# KiCad board 2000ATX.kicad_pcb (continued)
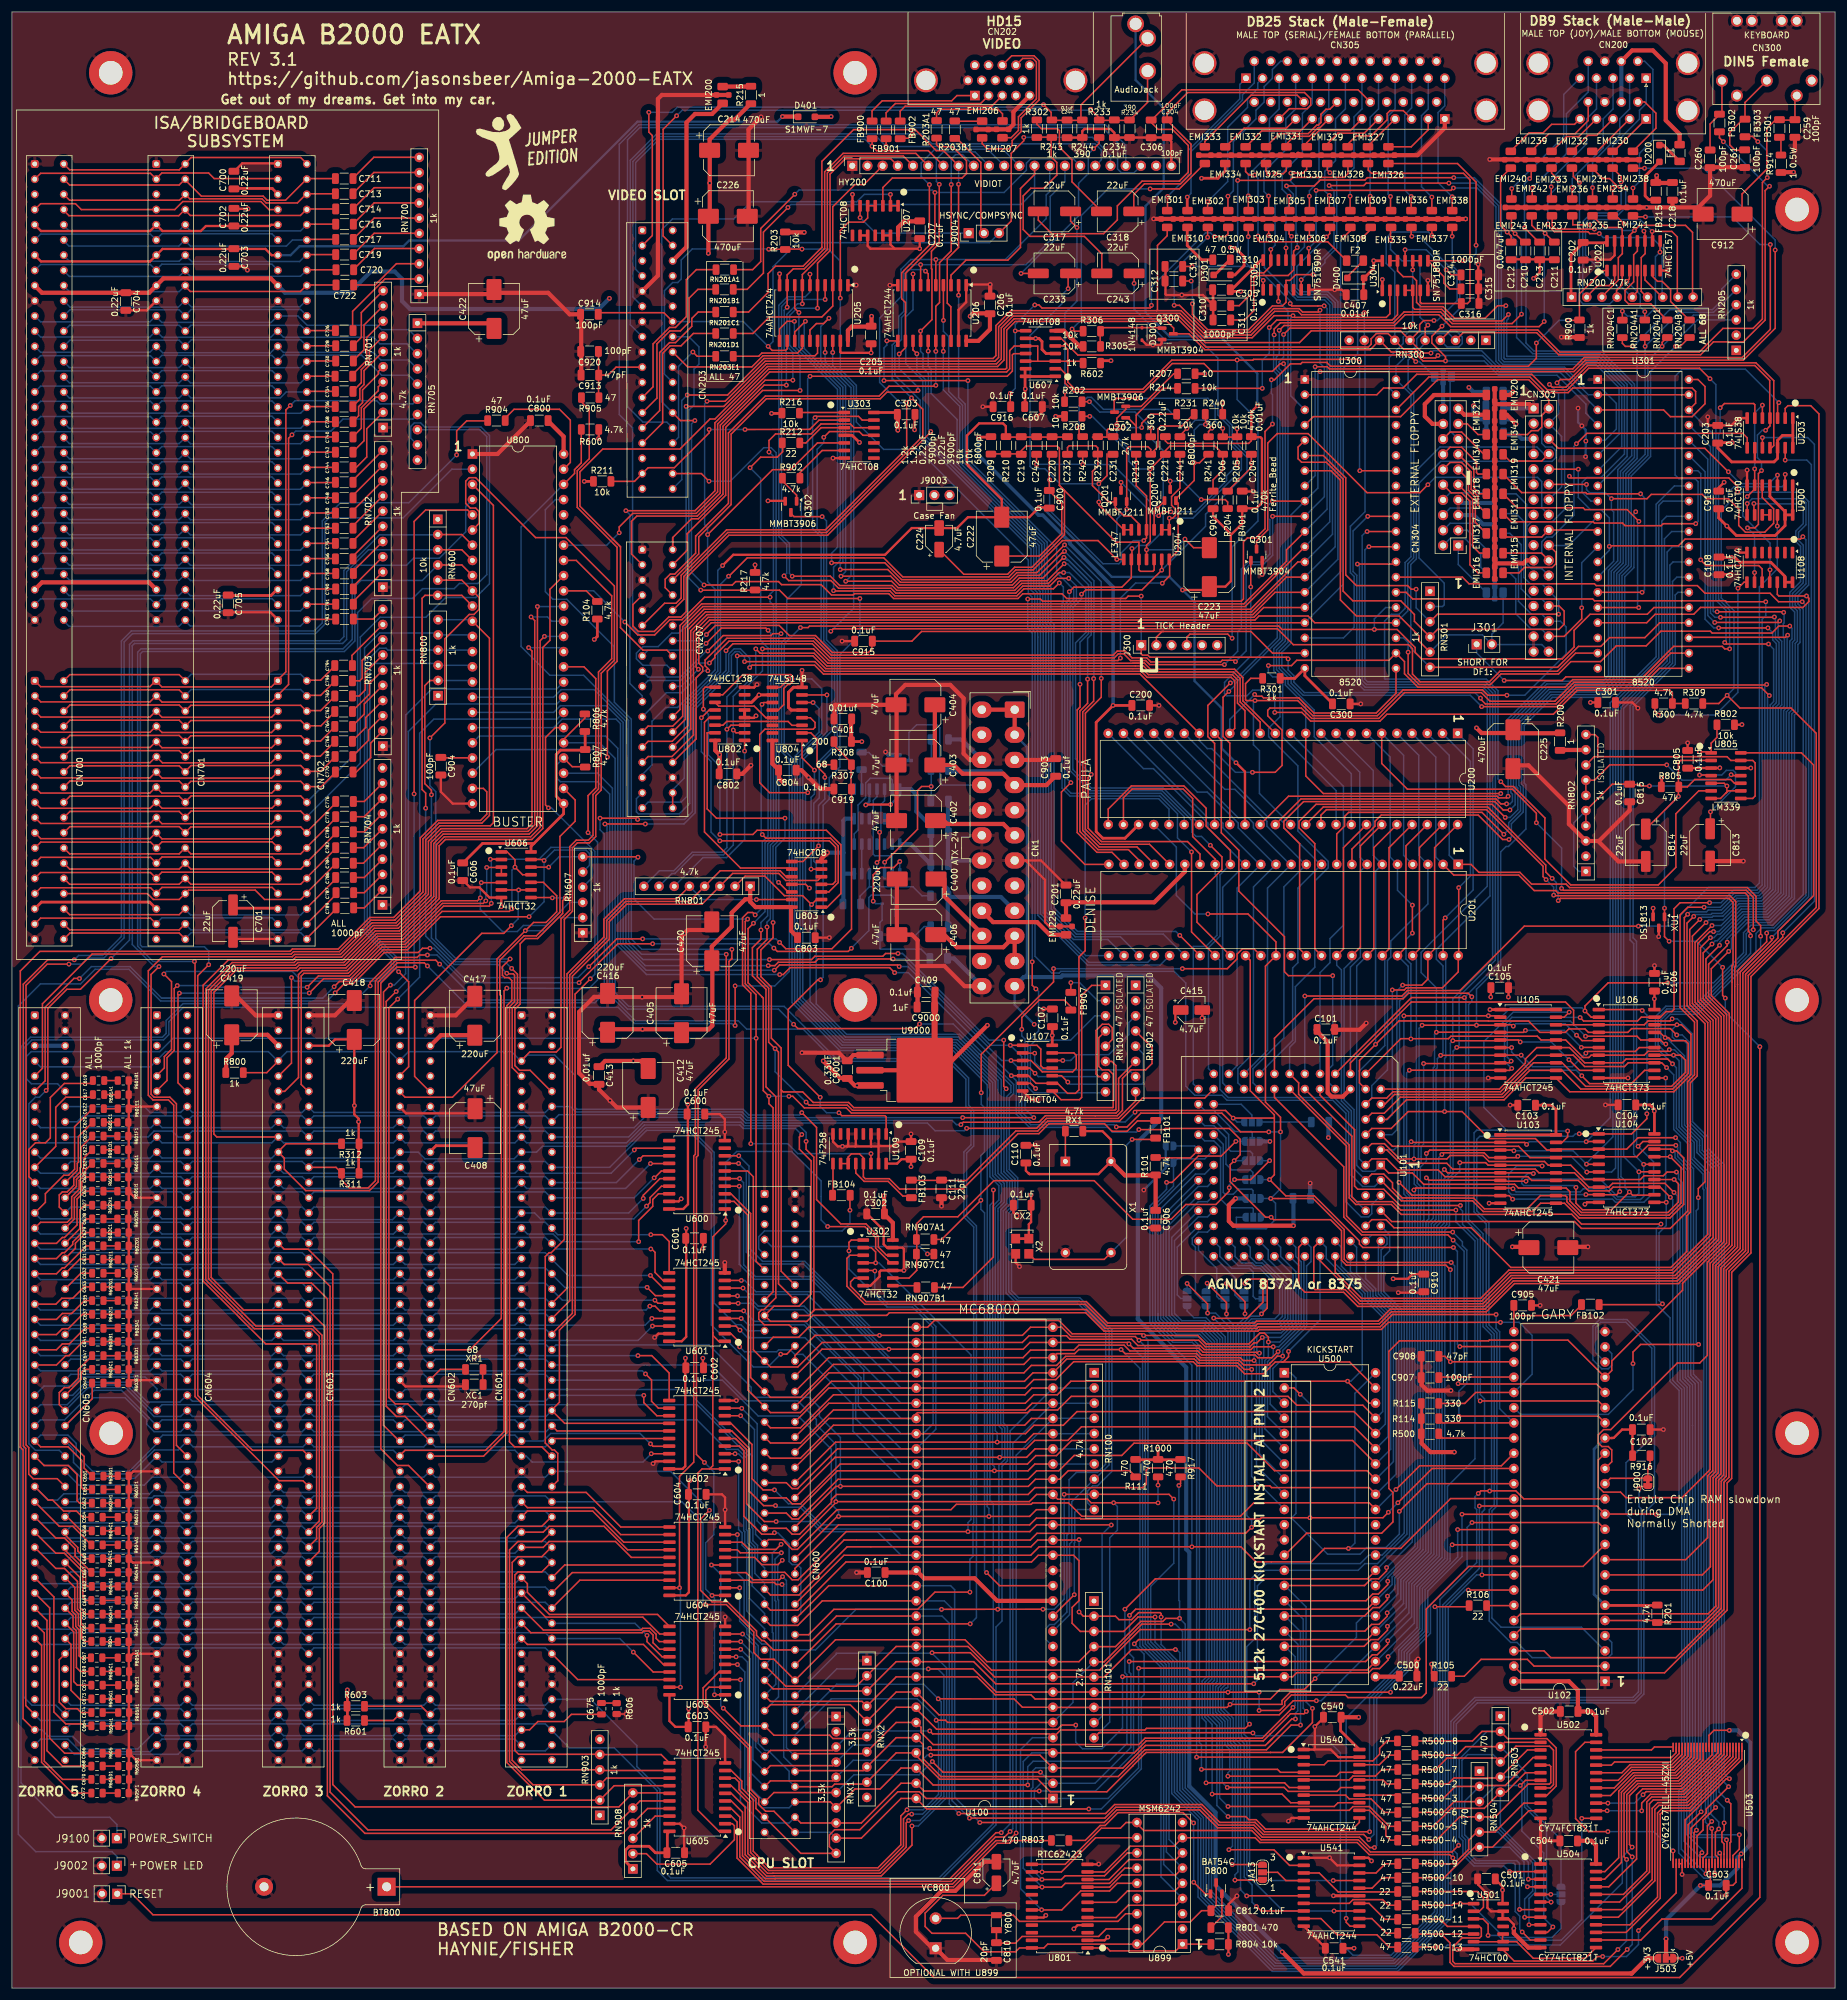
[diagram p0: board, top side]
## Routing (per net, layer and track width the routed paths; a pad name or vN(x,y) marks a point on that pad's centre or on a via; arc(x,y) is an arc through that point) (continued)
  Bottom w0.25: v1(128.53,105.92) 126.39,103.78 123.95,103.78 116.94,110.79 116.94,139.48 113.1,143.32 106.1,143.32 99.92,137.13 90.14,137.13 89.16,138.11 70.8,138.11 69.82,137.13 68.84,138.11 50.48,138.11 49.5,137.13 48.52,138.11 30.16,138.11 29.18,137.13 28.2,138.11 9.84,138.11 8.86,137.13 ; v1(98.32,195.48) 98.32,193.55 99.03,192.84 99.03,166.85 97.27,165.09 77.56,165.09 71.56,171.09 v1(71.51,171.09) ; U200.18 198.53,208.43 199.85,207.11 200.59,207.11 204.55,203.15 v1(207.4,203.15) ; v1(104.6,195.28) 112.46,195.28 113.77,196.58 113.77,213.92 119.83,219.98 119.83,222.88 120.73,223.77 121.79,223.77 123.34,222.23 v1(123.34,220.65)
_IPL0: length 215.8
  Top w0.25: v1(129.87,218.74) 128.47,217.35 U804.9 ; CN600.40 137.69,91.22 v1(164.73,91.22) 169.42,91.22 170.84,92.63 U100.25
  Bottom w0.25: U100.25 180.45,92.63 ; v1(164.73,91.22) 164.73,92.79 164.4,93.12 164.4,130.11 164.4,130.43 165.45,131.48 165.45,134.26 163.95,135.76 163.95,151.31 157.7,157.56 138.8,157.56 131.31,165.05 131.31,205.59 135.38,209.66 135.38,217.09 133.73,218.74 v1(129.87,218.74)
_IPL1: length 212.3
  Top w0.25: 130.91,81.97 137.62,88.68 v1(165.13,88.68) 169.63,88.68 171.05,90.09 U100.24 ; U804.7 v1(136.25,216.08)
  Bottom w0.25: U100.24 180.39,90.09 ; v1(136.25,216.08) 136.25,209.89 131.76,205.4 131.76,165.24 132.25,164.76 132.25,164.75 138.99,158.01 157.89,158.01 164.4,151.49 164.4,135.94 165.9,134.45 165.9,131.29 164.85,130.25 164.85,129.8 164.85,94.07 165.53,93.39 165.53,89.08 v1(165.13,88.68)
_IPL2: length 211
  Top w0.25: CN600.44 137.98,86.43 v1(164.25,86.43) 169.88,86.43 171.01,87.55 U100.23 ; U804.6 v1(133.93,214.81)
  Bottom w0.25: U100.23 180.39,87.55 ; v1(133.93,214.81) 134.93,213.81 134.93,209.85 130.86,205.78 130.86,164.86 138.62,157.11 157.51,157.11 163.5,151.12 163.5,135.57 165,134.08 165,131.66 163.95,130.62 163.95,87.43 164.25,87.13 v1(164.25,86.43)
_KBCLK: length 254.1
  Top w0.25: RN300.3 242.63,276.61 254.91,276.61 258.6,272.92 282.32,272.92 284.47,275.07 289.48,275.07 293.11,278.71 293.11,300.35 v1(293.85,301.08) ; v1(248.92,201.57) 249.72,200.78 251.04,200.78 256.29,195.52 256.29,188.64 260.6,184.33 275.25,184.33 278.19,187.27 278.19,196.22 282.01,200.05 U805.6 ; 285.48,310.25 285.48,309.17 v1(286.13,308.52)
  Bottom w0.25: v1(248.92,201.57) 248.46,202.04 248.46,216.77 246.51,218.72 229.57,218.72 229.49,218.8 229.49,228.41 230.64,229.56 231.93,229.56 232.92,230.54 232.92,238.19 233.9,239.17 233.9,266.28 U300.40 231.39,271.02 234.86,274.48 234.86,275.59 235.73,276.46 240.23,276.46 RN300.3 ; v1(286.13,308.52) 293.57,301.08 v1(293.85,301.08)
_KBRST: length 180.1
  Top w0.25: U805.14 299.18,206.4 301.21,204.37 301.21,182.54 296.88,178.21 296.87,178.21 295.25,176.59 295.25,175.44 289.39,169.59 289.39,123.39 286.16,120.16 286.16,85.71 285.31,84.86 285.31,63.63 282.82,61.13 275.08,61.13 ; U102.5 274.8,61.42
_LATCH: length 53.1
  Top w0.25: v1(275.95,114.33) 275.82,114.2 265.28,114.2 ; U106.11 v1(276.48,152.07) ; U104.11 v1(276.58,131.29)
  Bottom w0.25: v1(276.48,152.07) 276.48,131.39 v1(276.58,131.29) 276.58,127.41 275.38,126.21 275.38,114.89 v1(275.95,114.33)
_LDS: length 316.7
  Top w0.25: RN101.7 v1(203.3,49.43) v1(208.51,49.43) ; v1(199.9,112.78) 199.9,114.3 v1(196.47,117.73) ; v1(208.51,46.38) 211.96,46.38 212.79,47.21 212.79,47.85 213.9,48.96 222.95,48.96 223.37,48.54 235.69,48.54 236.45,49.3 236.45,63.33 243.57,70.45 262.68,70.45 U102.10 ; 180.87,49.45 U100.8 164.57,49.45 160.7,53.32 v1(153.21,53.32) ; v1(149.91,27.99) 149.5,27.58 149.5,23.55 145.15,19.19 127.24,19.19 127.22,19.17 126.33,19.17 123.03,22.46 123.03,31.03 120.25,33.81 U605.7
  Bottom w0.25: v1(208.51,49.43) v1(208.51,46.38) ; 199.82,113.88 199.82,112.86 v1(199.9,112.78) 201.24,112.78 203.74,110.27 203.74,49.87 v1(203.3,49.43) ; v1(149.91,27.99) 151.81,27.99 155.81,31.99 155.81,52.29 154.78,53.32 v1(153.21,53.32) 137.9,53.32 CN600.70 ; JA12.1 v1(196.47,117.73)
_LED: length 246.3
  Top w0.25: U304.2 230.38,279.77 229.77,279.16 214.46,279.16 v1(214.17,279.45) 211.02,279.45 207.34,275.76 199.35,275.76 195.28,279.84 167.18,279.84 164.96,277.61 164.96,272.46 164.34,271.85 125.93,271.85 119.24,265.15 v1(116.2,265.15) ; U303.5 134.67,258.19 130.2,253.72 127.16,253.72 v1(116.31,242.87)
  Bottom w0.25: v1(116.2,265.15) 115.81,264.75 115.81,244.52 116.31,244.02 116.31,242.87 v1(116.31,242.87) 116.31,242.86 116.31,235 117.55,233.75 117.55,220.25 111.29,213.99 109.31,213.99 107.01,211.69 107.01,204.39 105.38,202.77 ; v1(214.17,279.45) 213.8,279.07 213.8,266.06 U300.3
_MC1: length 240.6
  Top w0.25: v1(210.74,261.34) 209.5,260.1 209.5,243.84 207.97,242.31 206.55,242.31 205.89,241.66 205.89,232.11 205.53,231.74 172.31,231.74 171.94,232.11 v1(169.82,232.11) ; v1(171.19,166.95) 170.58,167.56 v1(170.58,171.48) ; U202.1 265.96,286.98 262.07,283.09 262.07,278.67 ; v1(254.86,274.88) 254.86,272.34 253.53,271 220.46,271 219.89,271.56 219.89,271.64 215.71,271.64 215.47,271.4 213.74,271.4 211.07,268.73 v1(210.57,268.73) ; 262.08,278.67 v1(260.17,278.67)
  Bottom w0.25: 171.2,166.98 171.19,166.99 v1(171.19,166.95) 171.23,166.95 171.64,166.54 171.64,159.92 169.82,158.1 169.82,150.57 170.8,149.59 182.66,149.59 ; v1(169.82,232.11) 169.82,227.18 170.59,226.41 170.59,171.49 v1(170.58,171.48) ; v1(210.57,268.73) 210.57,266.45 210.74,266.27 v1(210.74,261.34) ; v1(260.17,278.67) 258.65,278.67 v1(254.86,274.88)
_MTR: length 235.5
  Top w0.25: U108.12 295.15,232.87 295.4,232.61 v1(300.02,232.61) 300.42,232.21 300.42,231.69 299.44,230.7 282.31,230.7 281.17,229.56 274.73,229.56 273.31,228.14 U301.17 ; v1(293.37,176.28) 293.37,174.84 288.49,169.96 288.49,167.69 288.49,123.76 285.26,120.54 285.26,86.09 284.41,85.24 284.41,68.22 282.69,66.5 U102.7
  Bottom w0.25: v1(293.37,176.28) 293.37,176.53 293.54,176.7 294.72,176.7 300.39,182.36 300.39,232.25 v1(300.02,232.61)
_OEB: length 164.8
  Top w0.25: v1(260.35,163.07) 259.51,162.23 U105.19 ; U103.19 259.17,141.3 260.1,142.23 v1(260.1,143.21)
  Bottom w0.25: 250.04,143.21 249.89,143.35 244.9,143.35 244.45,142.9 244.45,129.69 246.48,127.66 246.48,110.62 247.82,109.29 247.82,80.74 246.99,79.91 246.99,61.33 250.56,57.75 251.62,57.75 254.16,55.21 266.88,55.21 267.47,55.8 267.47,57.75 U102.4 ; 250.04,143.21 246.09,147.16 246.09,158.16 250.99,163.07 v1(260.35,163.07) ; 250.04,143.21 v1(260.1,143.21)
_OEL: length 158.5
  Top w0.25: U106.1 272.4,163.5 v1(272.56,163.34) ; v1(273.34,146.09) 273.34,145.27 270.79,142.72 U104.1 262.06,142.72 v1(262.04,142.74)
  Bottom w0.25: v1(262.04,142.74) 262.02,142.72 261.39,142.72 260.99,142.32 245.4,142.32 244.9,141.83 244.9,129.88 246.93,127.85 246.93,110.81 248.27,109.47 248.27,80.55 247.44,79.72 247.44,61.82 248.96,60.29 262.39,60.29 U102.3 ; v1(273.34,146.09) 273.35,146.11 273.35,162.56 272.57,163.34 v1(272.56,163.34)
_OVR: length 476.9
  Top w0.25: 44.42,142.21 34.24,142.21 33.76,142.7 33.76,166.39 37.38,170.01 47.73,170.01 48.18,170.46 55.85,170.46 61.12,175.74 65.15,175.74 71.42,182.02 71.42,190.88 72.47,191.92 86.91,191.92 88.75,193.76 88.75,224.01 89.94,225.2 89.94,233.73 U800.40 ; v1(248.86,111.24) 230.14,111.24 228.94,110.05 208.58,110.05 208.31,109.77 182.59,109.77 179.51,112.84 146.69,112.84 146.25,112.4 133.9,112.4 132.9,111.4 126.81,111.4 CN600.17 127.39,113.94 131.59,113.94 133.62,115.97 133.62,138.2 131.65,140.17 131.65,142.22 v1(132.05,142.62) ; 238.48,97.69 242.89,97.69 244.72,99.52 U102.29
  Bottom w0.25: 24.1,142.21 25.08,141.23 43.44,141.23 44.42,142.21 45.4,141.23 63.76,141.23 64.74,142.21 65.72,141.23 84.08,141.23 85.06,142.21 86.04,141.23 102.75,141.23 105.73,144.22 121.69,144.22 122.27,143.64 130.98,143.64 132.02,142.61 ; CN605.17 4.79,141.23 23.25,141.23 CN604.17 ; U102.29 254.16,102.57 254.16,109.06 251.98,111.24 v1(248.86,111.24)
_OWN: length 278.9
  Top w0.25: CN603.7 42.6,152.96 38.61,152.96 ; v1(132.05,146.28) 134.52,143.81 134.52,131.74 138.57,127.68 142.78,127.68 144.85,125.62 144.85,123.82 146.23,122.44 U302.12 ; 85.06,154.91 86.56,156.41 91.01,156.41 91.8,157.2 91.8,178.65 93.26,180.12 93.26,190.73 94.34,191.81 96.36,191.81 97.15,192.6 97.15,199.45 98.06,200.36 98.06,219.91 100.27,222.11 100.27,232.63 94.35,238.56 U800.41
  Bottom w0.25: 85.06,154.91 83.5,156.47 66.3,156.47 64.74,154.91 63.18,156.47 45.98,156.47 44.42,154.91 42.86,156.47 25.66,156.47 23.12,153.93 4.76,153.93 3.78,154.91 ; 132.06,146.28 131.67,145.89 123.2,145.89 122.25,146.84 94.46,146.84 94.1,147.2 94.1,152.54 90.74,155.89 86.17,155.89 CN601.7
_PACK: length 202.9
  Top w0.25: v1(114.76,220.37) 114.38,220.74 114.38,226.32 116.66,228.59 207.82,228.59 208.49,229.27 216.69,229.27 217.82,228.14 U300.24 ; v1(236.73,277.88) 236.27,277.42 RN300.5 ; 230.48,294.15 v1(230.48,292.1)
  Bottom w0.25: CN207.20 111.89,217.51 v1(114.76,220.37) ; v1(230.48,292.1) 230.48,290.52 232.39,288.62 234.89,288.62 235.41,288.09 235.41,279.19 v1(236.73,277.88) ; U300.24 233.37,230.12 233.37,238 234.35,238.98 234.35,266.47 233.43,267.39 233.43,272.03 236.27,274.88
_RAMEN: length 96.4
  Top w0.25: U101.25 211.07,148.81 222.67,137.22 222.67,128.83 225.65,125.85 240.06,125.85 v1(240.94,124.97) ; U102.20 264.93,100.93 241.84,100.93 v1(241.78,100.99)
  Bottom w0.25: v1(241.78,100.99) 242.79,101.99 242.79,123.13 v1(240.94,124.97)
_RAS0: length 135.1
  Top w0.25: v1(220.9,17.96) 225.27,17.96
  Bottom w0.25: v1(220.9,17.96) 208.42,17.96 206.92,19.47 206.92,41.49 205.99,42.42 205.99,109.94 207.42,111.37 211.56,111.37 212.4,112.21 212.4,117.13 208.83,120.71 207.84,120.71 207.39,121.16 205.58,121.16 204.49,122.25 204.49,123.78 U101.57
_RAS1: length 135.4
  Top w0.25: v1(221.04,12.88) U541.13
  Bottom w0.25: v1(221.04,12.88) 212.52,12.88 206.47,18.93 206.47,41.18 205.54,42.11 205.54,110.13 207.23,111.82 211.13,111.82 211.95,112.64 211.95,116.95 208.64,120.26 207.65,120.26 207.2,120.71 205.02,120.71 U101.56
_REGEN: length 101.2
  Top w0.25: v1(241.91,95.53) 241.94,95.56 265.22,95.56 U102.18 ; 213.61,150.2 223.12,140.69 223.12,129.02 225.82,126.32 v1(240.87,126.32)
  Bottom w0.25: v1(241.91,95.53) 241.91,99.72 243.24,101.05 243.24,123.31 242.5,124.05 242.5,124.69 v1(240.87,126.32)
_ROMEN: length 264.2
  Top w0.25: v1(291.24,248.06) 291.24,246.29 ; v1(285.5,174.24) 283.21,171.96 283.21,165.49 286.21,162.49 286.21,124.67 279.3,117.75 279.3,116.61 267.47,104.78 267.47,103.18 U102.21 260.14,108.26 246.99,108.26 246.87,108.15 231.96,108.15 230.2,106.39 230.2,83.48 230.89,82.79 230.89,77.89 229,76 216.47,76 212.8,72.34
  Bottom w0.25: v1(291.24,248.06) 291.29,248.01 298.91,248.01 299.49,247.43 299.49,244.7 298.24,243.45 298.24,241.71 299.04,240.91 299.04,235.01 297.24,233.21 297.24,230.74 298.05,229.93 298.05,225.23 297.69,224.87 297.69,213.66 297.11,213.09 297.11,182.43 293.62,178.95 289.7,178.95 285.5,174.75 v1(285.5,174.24)
_RST: length 711.3
  Top w0.25: U200.11 216.31,202.54 219.25,199.6 v1(248.91,199.6) ; v1(212.6,271.42) 212.01,271.42 210.74,270.15 200.58,270.15 199.29,271.45 193.98,271.45 189.23,266.7 177.55,266.7 176.07,268.18 176.07,269.8 175.31,270.56 174.33,270.56 ; v1(192.13,62) 192.13,62.57 191.97,62.73 188.36,62.73 187.19,61.56 185.08,61.56 184.51,62.13 RN101.2 179.12,62.13 v1(178.41,62.84) ; v1(242.82,165.51) 233.98,165.51 U101.16 ; CN600.53 126.81,65.68 131.59,65.68 139.63,73.73 143.61,73.73 170.36,73.73 171.49,74.85 U100.18 178.33,74.85 v1(178.41,74.93) ; v1(245.77,69.04) U102.41
  Bottom w0.25: CN600.53 125.83,67.66 124.2,69.29 124.2,73.78 123.42,74.56 123.42,76.61 123.24,76.78 123.24,88.78 114.52,97.5 114.49,97.47 86.17,97.47 CN601.53 ; U200.11 216.31,214.33 212.9,217.74 212.9,218.82 211.42,220.29 211.42,223.6 212.9,225.08 212.9,270.97 212.6,271.27 v1(212.6,271.42) ; 24.1,96.49 25.08,97.47 43.44,97.47 44.42,96.49 ; CN605.53 4.79,97.47 9.23,97.47 12.54,100.78 19.13,100.78 23.42,96.49 CN604.53 ; CN603.53 45.53,97.47 63.89,97.47 CN602.53 ; v1(248.91,199.6) 248.46,199.14 248.46,171.14 v1(242.82,165.51) 243.08,165.25 243.08,128.27 245.49,125.85 245.49,99.15 246.2,98.45 246.2,79.94 245.79,79.53 245.79,69.94 245.77,69.93 v1(245.77,69.04) 244.88,69.04 239.65,63.8 239.65,12.01 231.33,3.69 211.09,3.69 199.21,15.57 199.21,28.48 194.8,32.89 194.8,54.74 192.13,57.41 v1(192.13,62) ; 64.74,96.49 65.72,97.47 84.08,97.47 85.06,96.49 ; v1(178.41,62.84) v1(178.41,74.93)
_RxD: length 95.6
  Top w0.25: U305.3 v1(211.73,281.84)
  Bottom w0.25: U200.41 223.93,202.91 217.72,209.11 217.72,213.55 213.35,217.92 213.35,219.01 211.87,220.48 211.87,223.42 213.35,224.89 213.35,280.23 v1(211.73,281.84)
_SEL0: length 253.1
  Top w0.25: v1(299.42,242.52) 299.02,242.12 279.74,242.12 278.61,241 267.16,241 v1(267.06,240.9) ; v1(287.02,173.23) 284.11,170.32 284.11,165.87 287.11,162.86 287.11,124.3 283.91,121.09 283.91,86.64 279.22,81.95 269.85,81.95 268.94,82.86 266.09,82.86 265.22,83.74 265.22,88.23 U102.16 ; CN303.10 v1(261.87,253.8)
  Bottom w0.25: v1(287.02,173.23) 287.49,173.7 287.49,175.41 290.13,178.05 294,178.05 298.01,182.06 298.01,212.71 298.59,213.29 298.59,224.49 298.95,224.86 298.95,230.3 298.14,231.11 298.14,232.84 299.94,234.64 299.94,242 v1(299.42,242.52) ; v1(261.87,253.8) 261.87,249.07 263.89,247.05 265.67,247.05 267.06,245.65 v1(267.06,240.9) 267.06,240.24 U301.13
_SEL1: length 65.7
  Top w0.25: v1(267.41,248.87) 273.36,248.87 274.08,249.59 282.59,249.59 283.31,248.87 286.97,248.87 288.7,247.14 288.7,244.39 289.82,243.27 293.05,243.27 294.53,244.75 294.53,247.19 292.63,249.08 U900.5 ; CN303.12 v1(263.25,251.26)
  Bottom w0.25: U301.14 267.79,238.43 267.79,246.66 267.41,247.04 v1(267.41,248.87) 266.4,249.88 263.76,249.88 263.25,250.39 v1(263.25,251.26)
_SEL2: length 48.7
  Top w0.25: v1(272.29,249.68) 263.32,249.68 263.11,249.89 252.4,249.89 EMI319.1 ; U301.15 v1(272.54,233.22)
  Bottom w0.25: v1(272.29,249.68) 272.94,249.03 272.94,233.62 v1(272.54,233.22)
_SEL3: length 46
  Top w0.25: U301.16 v1(271.98,230.68) ; EMI318.1 251.63,247.35 262.68,247.35 262.98,247.05 270.04,247.05 v1(272.01,245.08)
  Bottom w0.25: v1(272.01,245.08) 271.79,244.86 271.79,230.88 v1(271.98,230.68)
_SIDE: length 35.3
  Top w0.25: CN303.32 259.51,225.86 262.45,228.79 v1(262.45,230.63)
  Bottom w0.25: v1(262.45,230.63) 262.45,238.16 U301.12 ; CN303.32 255.76,227.03 254.03,227.03 251.42,229.63 251.42,235.46 250.41,236.47 EMI313.1
_SLAVE1: length 144.7
  Top w0.25: 3.78,152.37 5.09,153.68 5.09,164.47 13.4,172.78 46.67,172.78 47.07,173.18 54.74,173.18 60.01,178.44 64.03,178.44 64.03,178.45 68.71,183.14 68.71,192.01 71.37,194.66 78.56,194.66 79.83,195.94 79.83,225.55 U800.12
  Bottom w0.25: RN800.6 76.73,228.65
_SLAVE2: length 131.7
  Top w0.25: 25.5,169.34 26.68,168.17 26.68,156.85 25.48,155.65 25.48,153.75 24.1,152.37
  Bottom w0.25: 70.93,226.42 61.46,226.42 58.95,223.91 58.95,176.36 63.38,171.93 63.38,170.51 61.58,168.71 48.03,168.71 46.87,169.87 25.83,169.87 v1(25.4,169.44) ; RN800.5 76.73,226.11
_SLAVE3: length 107.2
  Top w0.25: v1(46.73,168.84) 46.73,154.55 CN603.9
  Bottom w0.25: 46.71,168.86 47.31,168.26 61.76,168.26 63.83,170.32 63.83,172.11 59.4,176.55 59.4,221.82 61.46,223.88 62.54,223.88 62.85,223.57 RN800.4 76.73,223.57
_SLAVE4: length 89.3
  Top w0.25: 64.74,152.37 66.32,153.95 66.32,168.15 v1(64.64,169.82)
  Bottom w0.25: 70.93,221.34 59.86,221.34 59.85,221.33 59.85,176.73 64.28,172.3 64.28,170.19 v1(64.64,169.82) ; RN800.3 76.73,221.03 ; 64.28,170.14 64.59,169.82
_SLAVE5: length 85.6
  Top w0.25: 85.06,152.37 83.63,153.8 83.63,163.79 83.67,163.79 84.51,164.63 84.51,169.41 v1(83.54,170.38) ; RN800.2 69.88,218.49 69.02,217.63 69.02,201.26 70.13,200.15 v1(70.13,199.39)
  Bottom w0.25: RN800.2 76.73,218.49 ; v1(70.13,199.39) 70.13,175.46 74.1,171.49 74.12,171.51 82.42,171.51 v1(83.54,170.38)
_STEP: length 23.2
  Top w0.25: CN303.20 258.12,239.92 258.12,237.99 257.5,237.38 252.88,237.38 251.97,236.47 EMI316.1
  Bottom w0.25: 256.99,241.05 260.25,241.05 U301.10
_TxD: length 121.6
  Top w0.25: U304.9 U304.10 234.19,287.1 v1(234.19,287.09) ; v1(212.6,276.3) 213.66,277.36 233.5,277.36 v1(234.19,278.04)
  Bottom w0.25: v1(234.19,287.09) v1(234.19,278.04) ; v1(212.6,276.3) 212.6,272.5 211.84,271.74 211.84,270.61 212.45,270 212.45,225.26 210.97,223.79 210.97,220.11 212.45,218.63 212.45,209.02 221.39,200.08 U200.40
_UDS: length 309.6
  Top w0.25: v1(230.48,49.43) 213.73,49.43 212.34,48.03 212.34,47.4 v1(203.66,47.4) 203.15,46.89 RN101.8 174.07,46.89 ; v1(199.82,117.77) 203.06,114.53 v1(203.06,112.63) ; U605.8 120.89,35.08 121.57,34.4 121.57,33.13 123.48,31.21 123.48,22.65 126.5,19.64 144.96,19.64 149.05,23.73 149.05,28.26 149.85,29.06 v1(150.42,29.06) ; v1(244.1,77.78) 265.22,77.78 U102.11 ; U100.7 168.94,46.91 167.54,48.31 v1(154.86,48.33)
  Bottom w0.25: v1(230.48,49.43) 230.48,50.03 233.66,53.22 233.66,55.78 237.16,59.27 237.16,64.04 243.29,70.17 243.29,76.97 v1(244.1,77.78) ; 203.06,113.88 v1(203.06,112.63) 203.06,112.01 204.19,110.88 204.19,47.93 v1(203.66,47.4) ; CN600.72 137.87,50.76 152.44,50.76 v1(154.86,48.33) 155.36,47.83 155.36,32.18 152.24,29.06 v1(150.42,29.06) ; 199.82,116.48 v1(199.82,117.77)
_VC1: length 238.9
  Top w0.25: v1(116.54,251.79) 115.26,253.07 CN203.34 ; v1(126.24,177.29) 126.24,175.21 124.61,173.58 124.61,168.97 126.51,167.07 126.51,158.04 v1(127.59,156.97) 128.15,156.4 128.15,117.68 CN600.16 ; RN102.6 183.87,154.84 184.57,154.14 184.57,146.83 184.41,146.67 140.53,146.67 139.67,147.53 133.29,147.53 v1(132.77,148.04)
  Bottom w0.25: v1(127.59,156.97) 127.59,153.12 v1(132.77,148.04) ; v1(126.24,177.29) 126.24,178.11 126.8,178.67 126.8,190.98 127.76,191.94 127.76,256.55 126.92,257.39 125.69,257.39 120.08,251.79 v1(116.54,251.79)
_VC3: length 211.3
  Top w0.25: v1(116.33,223.42) 118.91,226 126.9,226 127.22,226.31 v1(128.57,226.31) ; CN600.14 128.6,119.77 128.6,150.07 ; RN102.4 181.7,158.79 181.7,154.01 182.29,153.42 183.37,153.42 184.12,152.67 184.12,147.19 184.05,147.12 140.74,147.12 139.88,147.98 133.96,147.98 132.2,149.74 128.94,149.74 128.6,150.07 ; 128.6,150.07 128.6,157.08 126.96,158.72 126.96,167.25 125.21,169 125.21,173.47 127.25,175.51 v1(127.25,178.05)
  Bottom w0.25: v1(127.25,178.05) 127.25,190.79 128.21,191.76 128.21,225.95 v1(128.57,226.31) ; 112.55,219.88 116.09,223.42 v1(116.33,223.42) ; 112.55,219.88 111.73,219.07 106.36,219.07 CN207.17 ; 112.55,219.88 112.23,219.57 112.24,219.57
_VMA: length 305.6
  Top w0.25: v1(183.79,77.37) 183.77,77.39 U100.19 171.31,77.39 170.18,76.27 v1(159.83,76.27) 139.48,76.27 131.44,68.22 130.44,68.22 129.2,69.46 126.09,69.46 ; U302.2 143.68,123.71 144.39,123 v1(144.39,121.17) U302.4
  Bottom w0.25: v1(144.39,121.17) 144.96,121.17 160.35,105.79 160.35,78.28 159.83,77.77 v1(159.83,76.27) ; 181.15,44.35 182.27,45.47 182.27,75.84 v1(183.79,77.37) ; CN600.51 125.83,70.2 124.65,71.38 124.65,73.96 123.87,74.75 123.87,76.79 123.69,76.97 123.69,88.97 112.65,100.01 86.17,100.01 CN601.51 ; 85.06,99.03 84.08,100.01 65.72,100.01 64.74,99.03 63.76,100.01 45.4,100.01 44.42,99.03 43.44,100.01 25.08,100.01 24.1,99.03 ; CN604.51 24.23,100.12 22.25,102.1 11.64,102.1 10.13,100.59 5.37,100.59 CN605.51
_VPA: length 396
  Top w0.25: v1(237.34,54.13) 237.34,52.6 237.84,52.1 ; CN600.48 137.74,81.11 v1(137.74,81.28) 170.1,81.28 171.29,82.47 U100.21 174.84,81.67 179.84,81.67 180.43,81.08 191.6,81.08 ; R1000.2 191.62,84.03 v1(191.61,84.03) ; v1(207.47,42.62) 207.42,42.66 181.76,42.66 RN101.10
  Bottom w0.25: v1(207.47,42.62) 207.92,42.16 219.26,42.16 222.1,39.33 222.1,7.59 224.21,5.49 230.58,5.49 237.85,12.75 237.85,53.62 v1(237.34,54.13) ; v1(137.74,81.28) 137.74,90.85 134.49,94.11 134.49,95.01 131.38,98.12 122.87,98.12 116.87,104.11 CN601.48 ; v1(184.19,81.09) 184.81,80.47 184.81,76.49 183.53,75.22 183.53,44.44 RN101.10 ; 90.14,104.11 89.16,105.09 70.8,105.09 69.82,104.11 68.84,105.09 50.48,105.09 49.5,104.11 48.52,105.09 30.16,105.09 29.18,104.11 28.2,105.09 9.84,105.09 8.86,104.11 ; v1(191.61,84.03) v1(191.61,81.08)
_VSYNC: length 459.1
  Top w0.25: CN203.26 111.77,261.92 v1(114.17,261.92) ; U101.79 230.67,128.08 261.25,128.08 262.4,126.94 277.25,126.94 280.16,129.84 280.16,151.46 281.31,152.6 281.31,161.42 278.89,163.83 278.89,179.32 280.16,180.59 v1(282.91,180.59) ; v1(146.88,299.72) U207.2 U207.1 ; J300.1 188.8,222.94 189.01,222.72 189.91,222.72 190.25,222.38 213.08,222.38 v1(213.36,222.1) ; v1(245.52,215.54) 245.52,215.4 246.34,214.57 258.15,214.57 261.32,217.74 293.28,217.74 v1(293.37,217.83) ; v1(188.8,232.59) 186.63,232.59 186.23,232.19 176.34,232.19 175.56,232.98 168.99,232.98 168.2,232.19 147.4,232.19 146.6,233 140.86,233 140.64,232.78 137.02,232.78 135.29,234.5 128.67,234.5 128.16,235.02 121.01,235.02 120.43,234.44 v1(115.72,234.44)
  Bottom w0.25: v1(146.88,299.72) 142.49,299.72 141.25,298.48 123.55,298.48 120.69,295.62 110.42,295.62 108.64,293.83 108.64,265.05 CN203.26 ; v1(293.37,217.83) 293.06,217.52 293.06,184.11 291.95,183 288.02,183 285.62,180.59 v1(282.91,180.59) ; v1(213.36,222.1) 213.36,220.26 214.32,219.31 214.32,218.22 216.07,216.47 244.59,216.47 v1(245.52,215.54) ; J300.1 v1(188.8,232.59) ; v1(114.17,261.92) 113.61,261.36 113.6,238.64 113.6,236.56 v1(115.72,234.44)
_WE: length 171.3
  Top w0.25: v1(241.4,130) 232.19,130 230.79,131.4 224.84,131.4 224.02,132.22 224.02,142.35 U101.21 ; U541.11 223.71,10.34 223.07,10.98 v1(223.07,11.64)
  Bottom w0.25: v1(223.07,11.64) 223.06,45.16 231.86,53.96 231.86,56.53 235.36,60.02 235.36,66.94 239.99,71.58 239.99,71.76 240,83.84 244.59,88.44 244.59,124.85 241.4,128.04 v1(241.4,130)
_XCLKEN: length 180.6
  Top w0.25: v1(141.76,232.19) 129.71,232.19 128.32,233.58 115.17,233.58 v1(115.16,233.59) ; v1(138.26,146.26) 138.75,145.77 145.96,145.77 146.16,145.57 146.16,143.49 ; v1(135.19,168.47) 135.18,168.46 134.72,168.46 129.79,163.52 129.79,154.19 v1(135.13,148.84)
  Bottom w0.25: v1(141.76,232.19) 141.76,226.18 138.42,222.84 138.42,204.03 136.64,202.24 136.64,198.66 135.62,197.64 135.62,168.9 v1(135.19,168.47) ; v1(115.16,233.59) 113.15,235.6 113.15,236.74 113.16,263.66 114.03,264.53 114.03,270.52 114.86,271.35 114.86,274.24 113.18,275.93 CN203.16 ; v1(138.26,146.26) 136.19,146.26 135.13,147.32 v1(135.13,148.84)
A1: length 176.1
  Top w0.25: v1(207.26,103.37) 206.02,103.37 204.96,104.43 198.35,104.43 197.67,105.11 176.36,105.11 U100.29 170.7,102.79 169.28,101.38 137.02,101.38 131.8,96.16 126.81,96.16 CN600.29 123.05,99.92 123.05,129.13 120.74,131.44 U600.2
  Bottom w0.25: U101.60 213.3,117.51 213.3,111.84 211.93,110.47 207.79,110.47 206.89,109.57 206.89,103.74 v1(207.26,103.37) 207.26,85.5 212.8,79.96
A2: length 287.1
  Top w0.25: U600.3 120.2,132.72 123.5,129.42 123.5,102.01 CN600.27 126.81,98.7 131.84,98.7 137.34,104.21 169.18,104.21 170.31,105.33 U100.30 174.72,106.01 177.68,106.01 178.36,106.69 v1(185.43,106.69) 186.11,106.01 198.04,106.01 198.72,105.33 205.36,105.33 205.84,104.85 v1(207.67,104.85) ; U899.4 194.58,13.83 186.65,13.83 184.6,11.78 180.08,11.78
  Bottom w0.25: U899.4 192.1,18.56 192.1,53.62 188.58,57.13 188.58,103.53 v1(185.43,106.69) ; 212.8,82.5 208.07,87.23 208.07,104.45 v1(207.67,104.85) 207.67,109.63 208.03,109.98 212.08,109.98 213.75,111.65 213.75,118.06 210.04,121.78 210.04,123.31 U101.61
A3: length 283.8
  Top w0.25: U899.5 194.44,16.23 186.51,16.23 184.6,14.32 180.08,14.32 ; v1(208.56,106.1) 208.16,106.1 208.02,106.23 199.16,106.23 198.49,106.91 187.48,106.91 v1(186.75,107.64) 186.51,107.87 U100.31 170.2,107.87 169.07,106.75 v1(146.6,106.75) 135.44,106.75 CN600.26 ; v1(121.65,135.25) U600.5
  Bottom w0.25: U101.62 214.2,119.15 214.2,111.47 212.21,109.47 208.79,109.47 208.76,109.5 208.12,108.86 208.12,106.53 v1(208.56,106.1) 208.56,89.28 212.8,85.04 ; U899.5 192.55,20.65 192.55,53.81 189.03,57.32 189.03,105.36 186.76,107.64 v1(186.75,107.64) ; v1(146.6,106.75) 145.96,106.75 133.82,118.89 124.29,118.89 122.32,120.86 122.32,134.58 v1(121.65,135.25)
A4: length 281.5
  Top w0.25: v1(209.04,108.71) 208.14,107.81 207.62,107.81 206.95,107.13 206.94,107.13 206.9,107.17 199.49,107.17 198.42,108.25 v1(188.43,108.25) 187.81,108.87 177.07,108.87 175.52,110.41 U100.32 170.29,110.41 168.94,109.07 v1(145.04,109.07) 134.29,109.07 130.91,105.69 CN600.24 ; 180.08,16.86 183.52,16.86 185.55,18.9 194.57,18.9 U899.6 ; U600.7 v1(121.48,137.79)
  Bottom w0.25: 212.8,87.58 209.01,91.37 209.01,105.07 209.28,105.35 209.28,108.47 v1(209.04,108.71) 212.08,108.71 214.65,111.28 214.65,119.7 212.11,122.25 212.11,123.78 U101.63 ; v1(145.04,109.07) 144.28,109.07 132.36,120.98 124.77,120.98 122.77,122.98 122.77,136.5 v1(121.48,137.79) ; U899.6 193,22.74 193,53.99 189.48,57.51 189.48,107.19 v1(188.43,108.25)
A5: length 285.6
  Top w0.25: v1(210.06,107.95) 210.06,108.77 209.39,109.44 208.61,109.44 206.8,107.62 199.68,107.62 198.26,109.04 189.19,109.04 v1(189.19,109.04) 188.91,109.32 177.26,109.32 175.03,111.54 154.21,111.54 153.08,110.41 U100.33 133.2,110.41 131.53,108.75 127.28,108.75 CN600.21 ; 180.08,18.13 183.41,18.13 186.73,21.45 194.58,21.45 U899.7 ; v1(121.51,139.06) 121.51,139.06 U600.8
  Bottom w0.25: v1(189.19,109.04) 189.93,108.29 189.93,57.69 193.45,54.18 193.45,24.83 U899.7 ; U101.64 215.1,120.79 215.1,111.09 211.96,107.95 v1(210.06,107.95) 210.06,105.46 209.46,104.86 209.46,93.46 212.8,90.12 ; U100.33 143.57,110.41 132.55,121.43 125.49,121.43 123.22,123.7 123.22,137.35 v1(121.51,139.06)
